# Allegro board RUBUS_20173009.brd (continued)
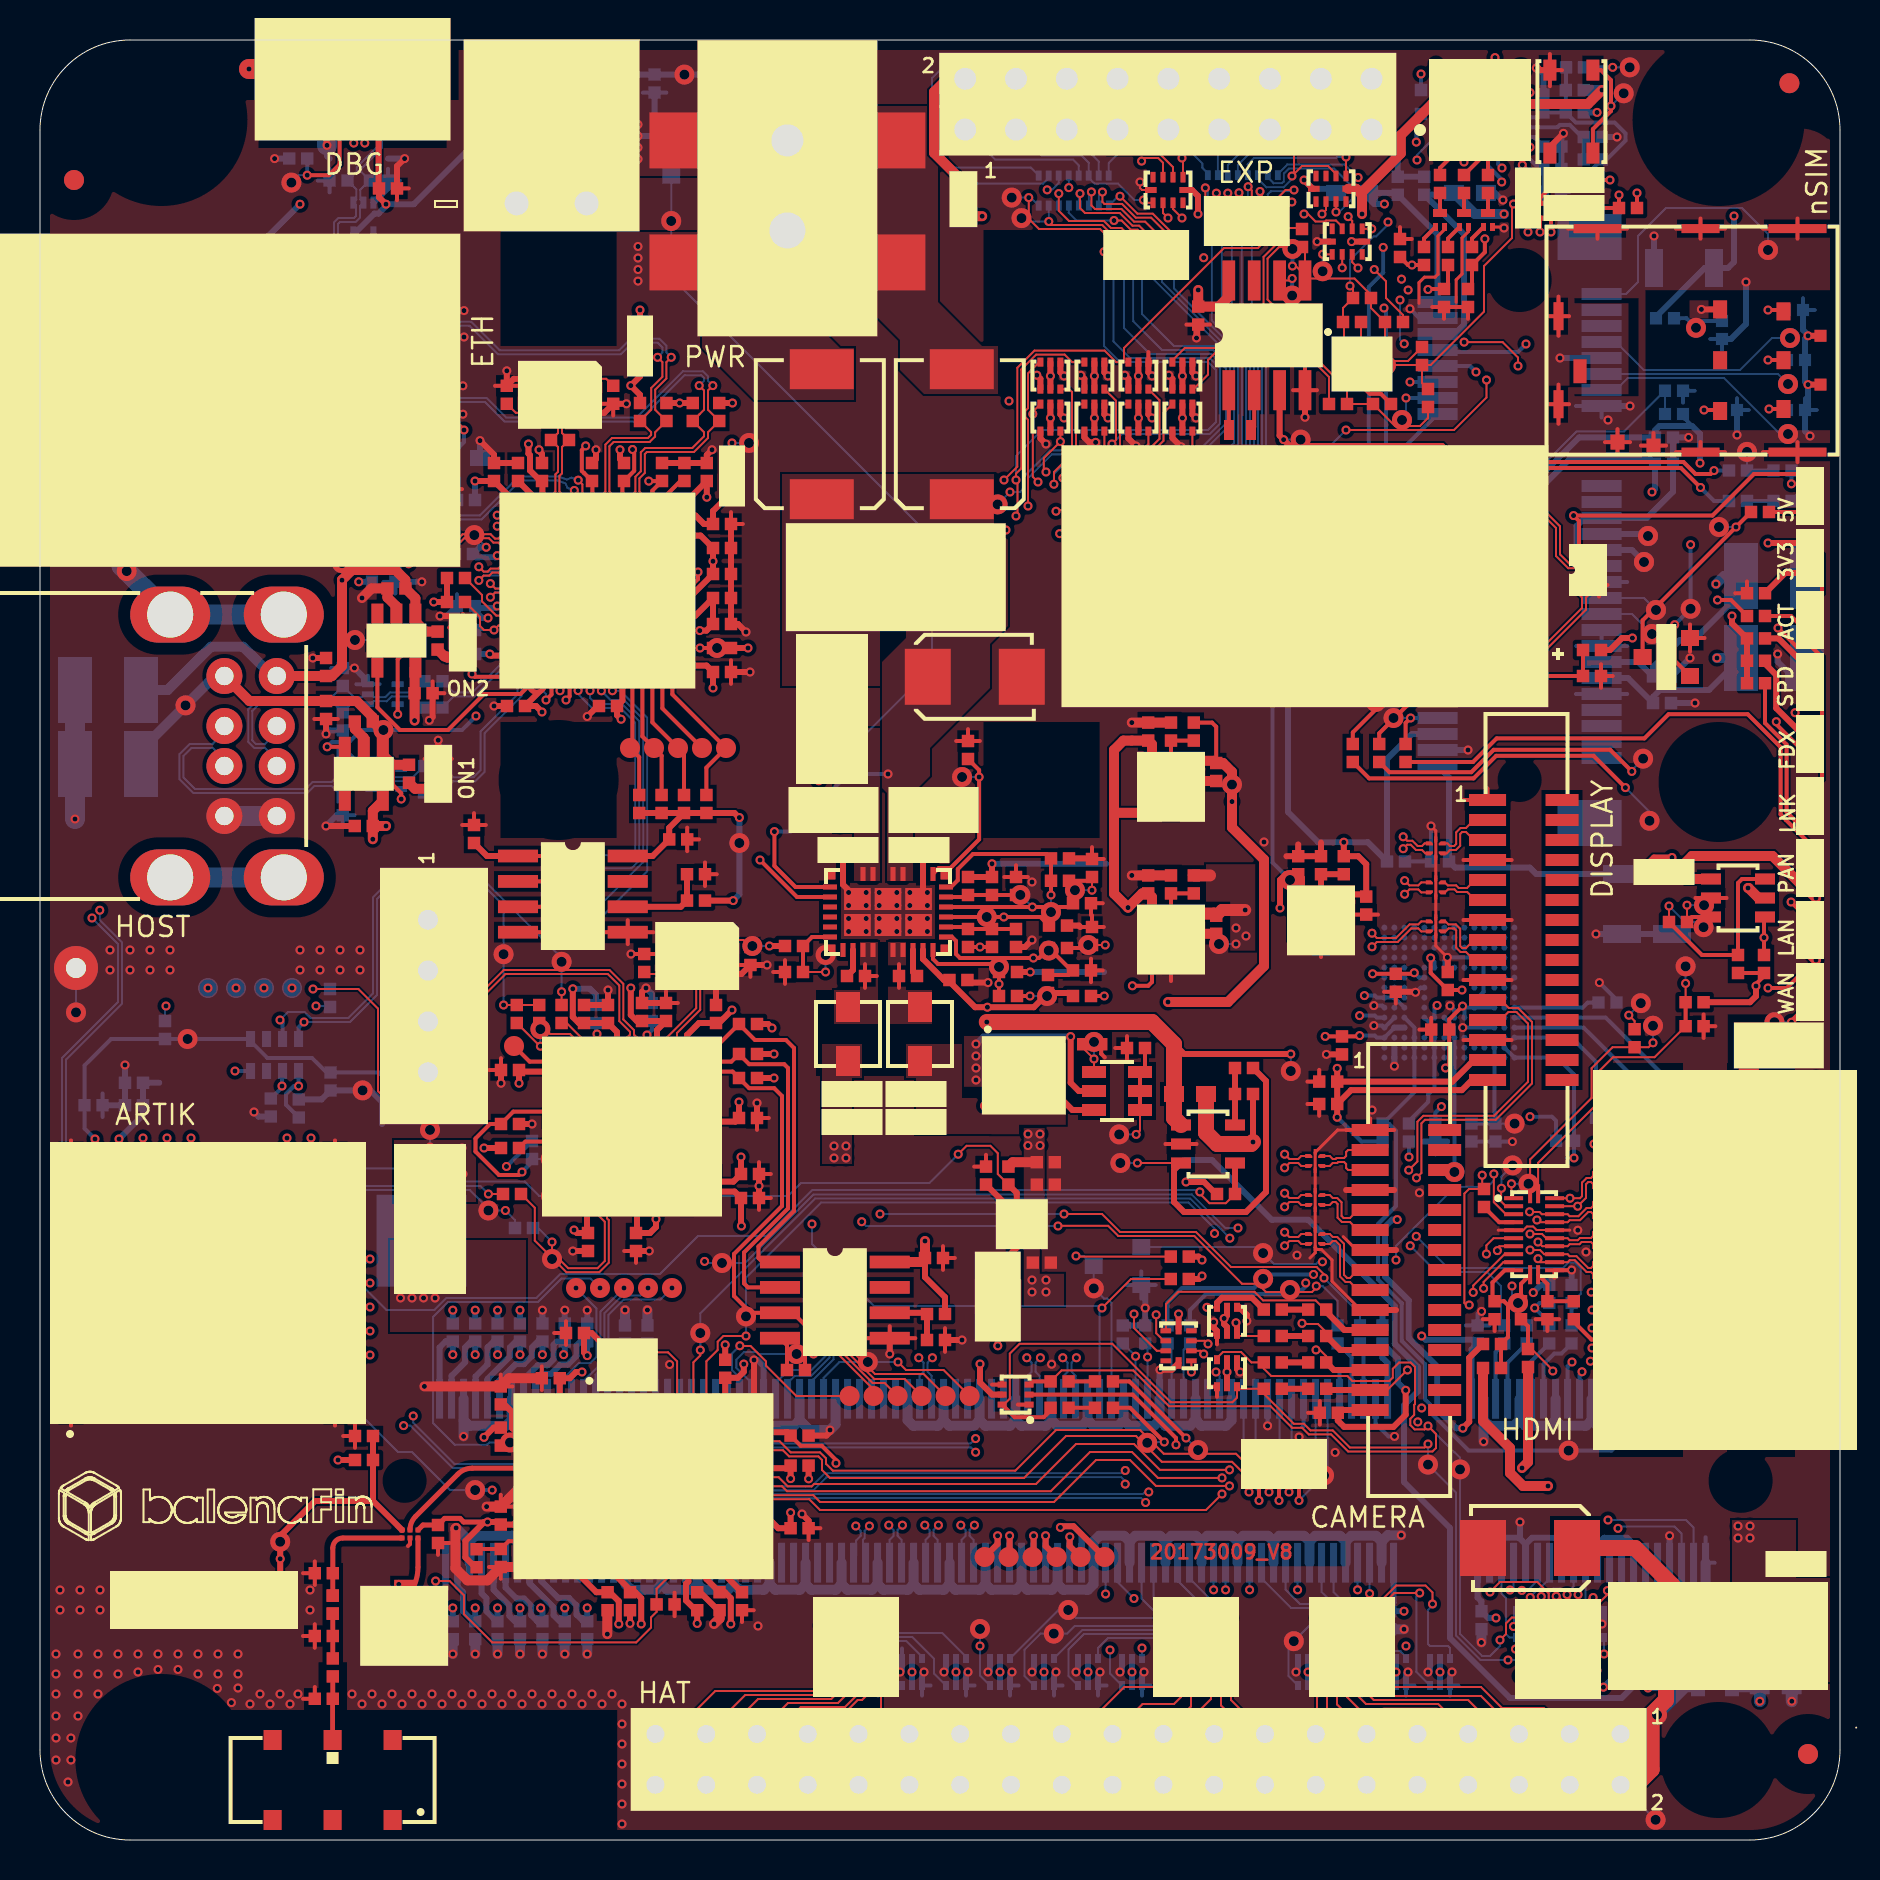
[diagram p0: board, top side]
## Routing (per net, layer and track width the routed paths; a pad name or vN(x,y) marks a point on that pad's centre or on a via; arc(x,y) is an arc through that point) (continued)
IO3: length 3
  TOP w0.1: RR6.11 64.85,6.78 J18.11
IO4: length 2.4
  TOP w0.1: J18.13 63.85,5.36 RR6.9
IO5: length 3.1
  TOP w0.1: J18.15 59.55,7 RR7.8
IO6: length 2.9
  TOP w0.1: RR7.4 57.55,6.68 J18.19
IO7: length 4.7
  TOP w0.1: J18.21 55.13,6.8 56.7,6.8 57.05,7.15 RR7.3
IO8: length 28.1
  TOP w0.1: v1(77.35,8.1) 77.15,7.9 RR10.15
  INT2 w0.1: v1(77.35,8.1) 75.95,6.7 52.49,6.7 J18.23
IO9: length 32.6
  TOP w0.1: RR10.13 76.15,7.75 76.35,7.95 76.35,8.3 76.12,8.53 75.43,8.53 v1(75.38,8.47)
  INT2 w0.1: v1(75.38,8.47) 74.2,7.3 48.01,7.3 J18.27
IO10: length 33.7
  TOP w0.1: v1(74.7,8.4) 74.81,8.4 75.15,8.06 RR10.11
  INT2 w0.1: v1(74.7,8.4) 74.7,8.18 74.02,7.5 45.67,7.5 J18.29
IO11: length 35.4
  TOP w0.1: v1(74,8.2) 74.37,8.2 74.65,7.92 RR10.10
  INT2 w0.1: J18.31 43.33,7.7 73.5,7.7 v1(74,8.2)
IO12: length 4.3
  TOP w0.1: J18.33 39.54,6.45 40.33,6.45 40.88,7 41.1,7 41.55,7.45 RR11.6
IO13: length 5.8
  TOP w0.1: J18.35 37.4,6.85 39.9,6.85 40.55,7.5 RR11.4
IO14: length 7.3
  TOP w0.1: J18.37 35.26,7.25 39.26,7.25 39.55,7.54 RR11.2
IO15: length 11.3
  TOP w0.1: RR11.1 38.85,7.45 33.76,7.45 32.11,5.8 32.11,4.1 J18.40
IO16: length 9.8
  TOP w0.1: J18.38 34.51,3.96 34.51,5.66 35.9,7.05 39.56,7.05 40.05,7.54 RR11.3
IO17: length 8.3
  TOP w0.1: RR11.5 41.05,7.45 40.25,6.65 38.04,6.65 37.05,5.66 37.05,3.96 J18.36
IO18: length 5.4
  TOP w0.1: RR11.7 42.05,5.88 42.13,5.8 42.13,3.96 J18.32
IO19: length 34.2
  TOP w0.1: v1(75.89,8.15) 75.65,7.91 RR10.12
  INT2 w0.1: v1(75.89,8.15) 75.89,7.49 75.5,7.1 48.65,7.1 47.35,5.8 47.35,4.1 J18.28
IO20: length 32.9
  TOP w0.1: RR10.14 76.65,8.28 v1(76.85,8.47)
  INT2 w0.1: J18.26 49.89,4.1 49.89,5.8 50.99,6.9 75.68,6.9 76.85,8.07 v1(76.85,8.47)
IO21: length 31.4
  TOP w0.1: v1(77.85,8.47) 77.85,7.85 77.65,7.65 RR10.16
  INT2 w0.1: J18.24 52.29,3.96 52.29,5.79 53,6.5 76.28,6.5 77.85,8.07 v1(77.85,8.47)
IO22: length 8
  TOP w0.1: RR7.1 54.21,7.65 52.34,5.78 52.34,4.05 J18.22
IO23: length 5.9
  TOP w0.1: J18.18 57.46,4.01 57.46,5.96 58.55,7.05 RR7.6
IO24: length 5.8
  TOP w0.1: RR7.7 59.05,6.73 60,5.78 60,4.01 J18.16
IO25: length 5.7
  TOP w0.1: J18.12 65.04,4.05 65.04,5.82 64.35,6.51 RR6.10
IO26: length 6.9
  TOP w0.1: RR6.12 65.35,7.15 65.95,6.55 66.85,6.55 67.62,5.78 67.62,4.01 J18.10
IO27: length 10.7
  TOP w0.1: J18.8 72.61,3.96 72.61,5.8 71.41,7 66.69,7 66.35,7.34 RR6.14
JTCK: length 7.1
  BOTTOM w0.1: v1(26.8,27.6) 27.82,26.58 27.82,24.15 27.52,23.84 26.95,23.84 25.98,22.88 J2.180
JTDI: length 7.2
  BOTTOM w0.1: J2.174 27.78,23.27 28.22,23.71 28.22,26.34 29.11,27.23 30.02,27.23 v1(30.4,27.6)
JTDI_FTDI: length 2.6
  TOP w0.1: U8.13 26.85,39.95 26.5,40.3 25.51,40.3 R213.2
JTDO: length 23.5
  BOTTOM w0.1: v1(28,27.6) 27.53,28.07 26.07,28.07 24.9,26.9 20.4,26.9 19.66,26.16 19.66,20.84 20.74,19.76 22.36,19.76 22.47,19.88 v2(23.5,19.88) 24.56,19.88 24.63,19.8 25.11,19.8 26.58,21.27 J2.178
JTDO_FTDI: length 4
  TOP w0.1: 25.07,39.62 U8.14 ; 25.07,39.62 R215.2 ; 25.07,39.62 25.07,39.64 v1(25.02,39.69)
  BOTTOM w0.1: v1(25.02,39.69) v2(25.02,40.54)
JTMS: length 6.4
  BOTTOM w0.1: v1(29.2,27.6) 28.02,26.42 28.02,23.79 27.18,22.95 J2.176
JTMS_FTDI: length 2.3
  TOP w0.2: U8.15 24.48,38.92 TP73.1
LED-B: length 8.5
  TOP w0.2: R124.1 v1(68.6,78.75) 68.4,78.75 R152.2
  INT2 w0.2: v1(71.2,83.9) 71.2,81.6 68.6,79 v1(68.6,78.75)
  BOTTOM w0.2: v1(71.2,83.9) 71.69,84.39 U25.4
LED-G: length 11.3
  TOP w0.2: v1(69.4,77.53) 69.42,77.53 69.45,77.55 R151.2 70.4,77.75 R122.1
  INT2 w0.2: v1(73.09,82.9) 72.2,82.9 71.6,82.3 71.6,81.1 70,79.5 70,78.12 v1(69.4,77.53)
  BOTTOM w0.2: U25.3 72.41,83.69 73,83.1 73,82.99 v1(73.09,82.9)
LED-R: length 8.3
  TOP w0.2: v1(72.24,80.06) 72.24,79.39 71.6,78.75 R120.1 71.6,77.75 R150.2
  INT2 w0.2: v1(72.24,80.06) 72.24,81.94 72.72,82.42 73.3,82.42 73.51,82.64 73.51,83.09 73.1,83.5 v1(73.1,83.6)
  BOTTOM w0.2: U25.2 72.91,83.79 v1(73.1,83.6)
MCU-GPIO0: length 128.1
  TOP w0.1: RR13.5 55.56,78.64 55.1,79.1 v1(55.1,79.42) ; v1(52.4,65.4) 52.4,65.9 55.78,69.28 57.22,69.28 57.62,69.69 57.62,70.44
  TOP w0.2: MOD2.3 v1(3.95,23.8)
  INT1 w0.1: v1(52.4,65.4) 52.67,65.4 53.37,66.1 56.1,66.1 56.7,66.7 v1(56.7,68.12)
  INT2 w0.1: v1(52.4,65.4) 51.88,65.4 51.18,64.7 50.15,64.7 38.5,53.05 38.5,32.52 37.5,31.52 37.5,22.78 36.22,21.5 28.12,21.5 26.65,20.03 26.65,16.83 23.32,13.5 13.43,13.5 3.95,22.98 v1(3.95,23.8)
  BOTTOM w0.1: v1(55.1,79.42) 55.1,76.3 56.7,74.7 58.73,74.7 59.7,73.73 59.7,69.85 57.8,67.95 56.88,67.95 v1(56.7,68.12) ; v2(3.95,22.95) v1(3.95,23.8)
MCU-GPIO0_EXT: length 20
  TOP w0.1: TVS6.7 56.15,81.35 v1(56.4,81.1)
  INT1 w0.1: J14.1 48.41,83.38 53.42,83.38 53.43,83.37 53.63,83.37 54.58,82.43 54.58,82.01 55.48,81.1 v1(56.4,81.1)
  BOTTOM w0.1: J14.1 47.76,84.02 51.65,84.02 51.94,83.73 RR14.13
MCU-GPIO1: length 123.9
  TOP w0.1: v1(50.8,66.44) 50.86,66.5 52.71,66.5 56.17,69.96 56.17,71.35 DS7.6 ; RR13.6 56.06,78.64 55.62,79.08 v1(55.62,79.12)
  TOP w0.2: MOD2.7 v1(8.75,23.8)
  INT1 w0.1: v1(56.1,67.92) 56.1,67.25 56,67.15 53.57,67.15 52.86,66.44 v1(50.8,66.44)
  INT2 w0.1: v1(8.75,23.8) 8.75,19.03 13.68,14.1 23.07,14.1 26.05,17.08 26.05,20.28 27.87,22.1 35.97,22.1 36.9,23.03 36.9,31.77 37.9,32.77 37.9,53.3 50.8,66.2 v1(50.8,66.44)
  BOTTOM w0.1: v2(8.75,24.65) v1(8.75,23.8) ; v1(56.1,67.92) 56.27,67.75 57.88,67.75 59.9,69.77 59.9,73.81 55.62,78.1 v1(55.62,79.12)
MCU-GPIO1_EXT: length 8.8
  TOP w0.1: TVS6.6 55.31,81.86 v1(55.17,82)
  BOTTOM w0.1: J14.3 50.1,84.22 52.08,84.22 52.44,83.86 RR14.14 52.44,83.11 52.73,82.82 53.9,82.82 54.72,82 v1(55.17,82)
MCU-GPIO2: length 120.5
  TOP w0.1: v1(52.11,67.28) 52.91,67.28 55.42,69.79 55.42,70.44 ; RR13.7 56.56,78.67 56.1,79.14 v1(56.1,79.42)
  TOP w0.2: MOD2.8 v1(9.95,23.8)
  INT1 w0.1: v1(52.11,67.28) 52.79,67.28 53.31,67.8 55.23,67.8 v1(55.3,67.72)
  INT2 w0.1: v1(52.11,67.28) 52,67.28 51.53,66.82 51.1,66.82 51.1,66.81 50.58,66.81 50.42,66.66 50.42,66.11 37.7,53.38 37.7,32.85 36.7,31.85 36.7,23.11 35.89,22.3 27.79,22.3 25.85,20.36 25.85,17.16 22.99,14.3 13.76,14.3 9.95,18.11 v1(9.95,23.8)
  BOTTOM w0.1: v1(9.95,23.8) v2(9.95,25.27) ; v1(56.1,79.42) 56.1,77.9 60.1,73.9 60.1,69.69 57.96,67.55 55.48,67.55 v1(55.3,67.72)
MCU-GPIO2_EXT: length 20.8
  TOP w0.1: TVS7.1 v1(66.59,80.56)
  INT2 w0.1: v1(66.59,80.56) 65.08,80.56 65.02,80.5 61.8,80.5 60.6,81.7 57.9,81.7 55.28,84.32 54.92,84.32 54.9,84.3 52.56,84.3 J14.5
  BOTTOM w0.1: J14.5 52.94,83.92 RR14.15
MCU-GPIO3: length 118.6
  TOP w0.1: DS8.6 54.15,71.8 54,71.65 54,68.9 v1(53.41,68.31) 53.4,68.31 53.4,68.3 52.76,67.66 v1(52.63,67.66) ; v1(56.7,79.3) 57.06,78.94 RR13.8
  TOP w0.2: MOD2.9 v1(11.15,23.8)
  INT2 w0.1: v1(11.15,23.8) 11.15,17.2 13.85,14.5 22.9,14.5 25.65,17.25 25.65,20.45 27.7,22.5 35.8,22.5 36.5,23.2 36.5,31.93 37.5,32.93 37.5,53.47 50.23,66.19 50.23,66.74 50.5,67.01 51.02,67.01 51.02,67.02 51.31,67.02 51.95,67.66 v1(52.63,67.66)
  BOTTOM w0.1: v2(11.15,24.65) v1(11.15,23.8) ; v1(53.41,68.31) 53.41,68.06 54.12,67.35 58.05,67.35 60.3,69.6 60.3,73.98 56.7,77.58 v1(56.7,79.3)
MCU-GPIO3_EXT: length 16.9
  TOP w0.1: v1(65.41,81.17) 65.41,81.16 65.61,80.96 TVS7.2
  INT2 w0.1: v1(65.41,81.17) 64.94,80.7 61.88,80.7 60.68,81.9 57.98,81.9 54.36,85.52 J14.7
  BOTTOM w0.1: RR14.16 53.44,83.85 53.88,84.29 J14.7
MCU-GPIO4: length 118.8
  TOP w0.1: RR3.1 v1(58.59,80.8) ; 53.22,70.44 53.22,68.72 52.94,68.44 51.94,68.44 51.7,68.2 v1(51.7,68.1)
  TOP w0.2: MOD2.10 v1(12.35,23.8)
  INT2 w0.1: v1(12.35,23.8) 12.35,16.28 13.93,14.7 22.82,14.7 25.45,17.33 25.45,20.53 27.62,22.7 35.72,22.7 36.3,23.28 36.3,32.02 37.3,33.02 37.3,53.55 50.02,66.28 50.02,66.82 50.42,67.21 50.93,67.21 50.94,67.22 51.23,67.22 51.69,67.68 51.69,68.1 v1(51.7,68.1)
  BOTTOM w0.1: v1(58.59,80.8) 58.59,75.97 60.5,74.06 60.5,69.52 58.13,67.15 54.03,67.15 52.95,68.23 51.83,68.23 v1(51.7,68.1) ; v1(12.35,23.8) v2(12.35,25.27)
MCU-GPIO4_EXT: length 14.3
  TOP w0.1: TVS7.3 65.11,80.66 64.8,80.97 64.31,80.97 64.26,80.92 63.77,80.92 63.4,81.3 v1(63.2,81.3)
  INT2 w0.1: J14.9 57.74,84.2 60.4,84.2 61.5,83.1 61.5,82.46 62.66,81.3 v1(63.2,81.3)
  BOTTOM w0.1: RR2.9 58.39,83.34 58.11,83.62 58.11,83.83 J14.9
MCU-GPIO5: length 119.2
  TOP w0.1: DS9.6 51.99,71.8 51.8,71.6 51.8,69.2 51.15,68.55 v1(51.15,68.1) ; RR3.2 v1(59.09,81.08)
  TOP w0.2: MOD2.11 13.55,23.63 v1(13.38,23.8)
  INT2 w0.1: v1(13.38,23.8) 13.38,15.53 14.01,14.9 22.74,14.9 25.25,17.41 25.25,20.61 27.54,22.9 35.64,22.9 36.1,23.36 36.1,32.1 37.1,33.1 37.1,53.63 49.83,66.36 49.83,66.9 50.33,67.41 50.85,67.41 51.07,67.63 51.07,67.64 51.14,67.72 51.14,68.1 v1(51.15,68.1)
  BOTTOM w0.1: v2(13.38,24.65) v1(13.38,23.8) ; v1(59.09,81.08) 59.09,75.76 60.7,74.15 60.7,69.44 58.21,66.95 53.95,66.95 52.87,68.03 52.33,68.03 52,67.7 51.55,67.7 v1(51.15,68.1)
MCU-GPIO5_EXT: length 14.9
  TOP w0.1: v1(65.9,78.6) 65.61,78.89 TVS7.8
  INT1 w0.1: J14.11 59.28,85.52 61.6,83.2 61.6,80.6 64.1,78.1 65.4,78.1 v1(65.9,78.6)
  BOTTOM w0.1: J14.11 58.96,84.29 58.89,84.22 RR2.10
MCU-GPIO6: length 118.6
  TOP w0.1: MOD2.27 v1(6.35,35.1) ; RR3.3 v1(59.59,80.8) ; 51.02,70.44 v1(51.02,69.92) 50.19,69.09 50.19,68.51 v1(50.3,68.4)
  INT1 w0.1: v1(50.3,68.4) 50.3,66.41 50.64,66.06 52.76,66.06 53.65,66.95 54.86,66.95 55.23,66.58 v1(55.8,66.58)
  INT2 w0.1: v1(51.02,69.92) 50.22,70.72 49.68,70.72 49.2,71.21 49.2,72.12 47.52,73.8 32.98,73.8 32.08,72.9 30.82,72.9 29.62,74.1 11.68,74.1 2.85,65.27 2.85,48.1 5.11,45.84 5.11,40.77 5.85,40.03 5.85,35.2 5.95,35.1 v1(6.35,35.1)
  BOTTOM w0.1: v1(6.35,35.1) v2(6.35,34.25) ; v1(55.8,66.58) 58.12,66.58 60.9,69.35 60.9,74.23 59.59,75.54 v1(59.59,80.8)
MCU-GPIO6_EXT: length 13.1
  TOP w0.1: TVS7.7 v1(65.11,78.61)
  INT1 w0.1: J14.13 61.8,85.22 61.8,80.8 63.99,78.61 v1(65.11,78.61)
  BOTTOM w0.1: J14.13 61.16,85.52 59.39,83.75 RR2.11
MCU-GPIO7: length 119.3
  TOP w0.1: v1(49.9,67.9) 49.64,68.16 v1(49.64,71.3) 49.64,71.42 DS10.6 ; RR3.4 v1(60.09,81.09) ; MOD2.28 v1(5.15,35.1)
  INT1 w0.1: v1(49.9,67.9) 49.9,66.53 50.56,65.86 52.85,65.86 53.56,66.58 v1(54.7,66.58)
  INT2 w0.1: v1(5.15,35.1) 5.55,35.1 5.65,35.2 5.65,39.95 4.91,40.69 4.91,45.76 2.65,48.02 2.65,65.35 11.6,74.3 29.7,74.3 30.9,73.1 32,73.1 32.9,74 47.6,74 49.4,72.2 49.4,71.54 v1(49.64,71.3)
  BOTTOM w0.1: v1(54.7,66.58) 55.08,66.2 58.03,66.2 61.1,69.27 61.1,74.31 60.09,75.32 v1(60.09,81.09) ; v1(5.15,35.1) v2(5.15,34.25)
MCU-GPIO7_EXT: length 15.1
  TOP w0.1: TVS7.6 64.14,79.28 v1(64.13,79.29)
  INT1 w0.1: J14.15 63.72,85.52 62,83.8 62,81 63.71,79.29 v1(64.13,79.29)
  BOTTOM w0.1: J14.15 62.84,84.32 60.46,84.32 59.89,83.75 RR2.12 ; v2(64.13,78.44) v1(64.13,79.29)
NJTRST_FTDI: length 1.8
  TOP w0.2: R217.1 24.27,34.92 U8.23
NRST: length 7.9
  BOTTOM w0.1: J2.172 28.38,23.58 28.42,23.62 28.42,26.25 29.19,27.02 31.02,27.02 v1(31.6,27.6)
PERST_MPCIE: length 1.6
  BOTTOM w0.2: U25.8 70.96,86.64 70.1,87.5 R250.2
PW_EN_LED: length 67.8
  TOP w0.2: R273.1 v1(86.2,45.12) 86.2,46.1 Q16.1 ; v1(81.73,60.77) 81.73,58.97 Q13.1
  INT1 w0.2: v1(82.53,64.77) 82.55,64.77 87.54,69.76 87.54,76.77 84.21,80.1 83.06,80.1 79.36,83.8 74.7,83.8 74,84.5 74,86.17 75.38,87.55 75.38,88.64 74.8,89.22 72.85,89.22 v1(72.75,89.12)
  INT2 w0.2: v1(81.73,60.77) 81.73,58.34 80.69,57.3 80.69,51.56 86.2,46.06 v1(86.2,45.12)
  BOTTOM w0.2: U25.10 72.41,88.78 v1(72.75,89.12) ; v1(81.73,60.77) v2(82.53,61.56) v1(82.53,64.77)
PW_ON_3V3: length 48.3
  TOP w0.1: R180.1 47.89,33.3 47.89,34.34 47.52,34.71 46.33,34.71 v1(45.91,34.29) ; MOD2.26 v1(7.55,35.1)
  TOP w0.3: R180.1 48.84,32.35 U20.3
  BOTTOM w0.1: v1(45.91,34.29) 44.47,32.85 38.05,32.85 37.4,32.2 v2(25.55,32.2) 24.96,32.2 24.23,32.92 20.94,32.92 20.28,33.58 7.8,33.58 7.55,33.83 v1(7.55,35.1)
PW_ON_5V: length 52.6
  TOP w0.1: v1(57.99,32.4) 57.99,32.32 58.47,31.84 59.29,31.84 R274.1 ; MOD2.17 v1(16.5,29.05)
  TOP w0.3: Q17.1 R274.1
  BOTTOM w0.1: v2(15.65,29.05) v1(16.5,29.05) 16.12,28.68 16.12,27.69 17.32,26.5 19.72,26.5 20.32,27.1 24.82,27.1 26.02,28.3 31,28.3 32.9,30.2 36.32,30.2 38.62,32.5 57.9,32.5 v1(57.99,32.4)
RF_OUT_50OHM: length 7.2
  TOP w0.25: MOD1.N4 21.6,18.59 arc(21.22,18.51) 20.9,18.3 18.78,16.18 arc(18.57,15.87) U26.5
RST_MCU: length 32.1
  TOP w0.2: MOD2.30 v1(2.75,35.05)
  INT1 w0.2: v1(17.38,37.96) 18.83,36.5 21.3,36.5 23.32,34.48 v1(23.32,33.68)
  BOTTOM w0.2: v1(17.38,37.96) 17.36,37.96 16.94,38.38 R118.1 14.32,38.38 13.6,39.1 11.37,39.1 10.53,39.94 RR4.5 v2(7.38,40.05) R290.1 3.55,40.05 2.23,38.73 C91.1 2.23,35.57 v1(2.75,35.05) ; R216.1 24.6,34.95 v1(23.32,33.68)
SPI-MCU_MISO: length 98
  TOP w0.1: DS28.6 51.45,72.55 51.6,72.4 51.6,69.3 50.7,68.4 50.7,67.79 v1(50.69,67.79) ; RR13.4 55.06,78.68 v1(54.66,79.08) ; MOD2.15 v1(16.5,26.65)
  INT2 w0.1: v1(50.69,67.79) 50.52,67.61 50.25,67.61 49.71,67.08 48.71,67.08 32.5,50.87 32.5,41.73 33.9,40.33 33.9,28.77 30.78,25.65 17.5,25.65 v1(16.5,26.65)
  BOTTOM w0.1: v2(15.65,26.65) v1(16.5,26.65) ; v1(50.69,67.79) 50.69,68.29 51.48,69.08 57.83,69.08 59.5,70.75 59.5,73.65 58.65,74.5 56.1,74.5 54.66,75.94 v1(54.66,79.08)
SPI-MCU_MISO_EXT: length 16.8
  TOP w0.1: TVS6.8 56.65,81.55 v1(57.1,81.1)
  INT1 w0.1: J14.10 57.7,86.78 57.7,81.7 v1(57.1,81.1) 56.7,80.7 55.6,80.7 54.38,81.92 54.38,82.34 53.62,83.1 51.54,83.1 51.44,83 v1(51.44,82.62)
  BOTTOM w0.1: RR14.12 v1(51.44,82.62)
SPI-MCU_MOSI: length 100.9
  TOP w0.1: v1(54.2,79.4) 54.2,78.97 54.36,78.81 54.36,78.81 54.56,78.61 RR13.3 ; DS28.3 49.96,73.89 49.4,73.33 49.4,71.59 49.27,71.46 49.27,71.14 49.4,71.01 v1(49.4,66.7) ; MOD2.14 v1(16.5,25.45)
  INT2 w0.1: v1(49.4,66.7) 48.62,66.7 32.7,50.78 32.7,41.82 34.1,40.42 34.1,28.68 30.87,25.45 v1(16.5,25.45)
  BOTTOM w0.1: v1(49.4,66.7) 49.4,68.09 50.6,69.28 57.75,69.28 59.3,70.83 59.3,73.57 58.57,74.3 55.5,74.3 54.2,75.6 v1(54.2,79.4) ; v2(15.65,25.45) v1(16.5,25.45)
SPI-MCU_MOSI_EXT: length 13
  TOP w0.1: v1(55.08,83.94) 55.08,84 55.18,84.1 55.91,84.1 56.15,83.86 TVS6.3
  INT1 w0.1: v1(55.08,83.94) 55.08,86.86 J14.8
  INT2 w0.1: v1(55.08,83.94) 54.92,83.94 54.88,83.9 51.8,83.9 50.41,82.51 v1(50.36,82.51)
  BOTTOM w0.1: RR14.11 50.94,82.85 50.63,82.54 50.39,82.54 v1(50.36,82.51)
SPI-MCU_SCLK: length 94.8
  TOP w0.1: MOD2.16 v1(16.5,27.85) ; DS27.6 53.8,71.97 53.8,70 v1(53.6,69.8) ; v1(53.67,79.08) 54.06,78.68 RR13.2
  INT2 w0.1: v1(16.5,27.85) 26.15,27.85 26.4,28.1 32.95,28.1 33.7,28.85 33.7,40.25 32.3,41.65 32.3,50.95 48.5,67.15 v1(48.5,67.4)
  BOTTOM w0.1: v2(47.88,66.78) v1(48.5,67.4) 49,67.4 49.17,67.58 49.17,68.14 50.52,69.48 53.28,69.48 v1(53.6,69.8) 54.1,70.3 58.48,70.3 59,70.82 59,73.58 58.48,74.1 54.5,74.1 53.67,74.93 v1(53.67,79.08)
SPI-MCU_SCLK_EXT: length 26.8
  TOP w0.1: TVS6.2 56.65,83.64 55.97,84.32 53.38,84.32 52.54,85.16 52.54,86.86 J14.6
  BOTTOM w0.1: J14.6 50.14,89.26 45.76,89.26 44.6,88.1 44.6,84.32 46.1,82.82 50.15,82.82 50.44,83.11 RR14.10
SPI_MCU_CS-CON: length 104.6
  TOP w0.1: MOD2.13 v1(16.5,24.25) ; DS27.3 51.61,73.89 51.23,74.27 49.81,74.27 49.06,73.53 49.06,68.58 48.8,68.32 v1(48.8,68) 48.88,67.92 48.88,66.28 v1(48.8,66.2) ; v1(53.2,79.41) 53.2,78.8 53.5,78.5 RR13.1
  INT2 w0.1: v1(16.5,24.25) 19.7,24.25 20.7,25.25 30.95,25.25 34.3,28.6 34.3,40.5 32.9,41.9 32.9,50.7 48.4,66.2 v1(48.8,66.2)
  BOTTOM w0.1: v1(53.2,79.41) 53.2,74.69 54,73.9 58.4,73.9 58.8,73.5 58.8,70.9 58.4,70.5 50.1,70.5 48.8,69.2 v1(48.8,68) ; v2(15.65,24.25) v1(16.5,24.25)
SPI_MCU_CS-CON_EXT: length 24.6
  TOP w0.1: TVS6.1 57.15,84.05 v1(57.1,84.1)
  INT1 w0.1: v1(57.1,84.1) 56.57,83.57 53.51,83.57 53.51,83.58 51.59,83.58 50,85.16 50,86.86 J14.4
  BOTTOM w0.1: J14.4 47.6,86.86 45.16,86.86 44.9,86.6 44.9,84.3 45.58,83.62 49.54,83.62 RR14.9
SW_I2C_SCL_ON: length 145.4
  TOP w0.1: v1(62.61,78.08) 62.51,77.98 U23.6 61.98,77.22 62.88,76.32 62.88,75 64.83,73.05 Q18.3 65.35,72.9 R284.1 R288.1 67.75,70.7 69,70.7 69.4,71.1 R287.2 ; MOD2.19 v1(13.3,31.45)
  INT1 w0.1: v1(2.99,46.49) 2.73,46.75 2.48,46.75 0.8,48.43 0.8,76.62 4.98,80.8 18.38,80.8 25.08,87.5 38.5,87.5 44.1,81.9 48.3,81.9 48.8,81.4 53.9,81.4 55.3,80 58.4,80 60.4,78 62.53,78 v1(62.61,78.08)
  BOTTOM w0.1: v1(2.99,46.49) 2.99,45.99 4.1,44.88 4.1,41.82 1.3,39.02 1.3,33.98 2.18,33.1 4.38,33.1 6.53,30.95 13.2,30.95 13.3,31.05 v1(13.3,31.45)
  BOTTOM w0.2: v1(62.61,78.08) v2(62.61,77.22)
SW_I2C_SCL_ON_OFF: length 125.2
  TOP w0.1: R282.2 67.7,73.75 Q18.4 ; R282.2 69.1,72.85 R287.1 ; R282.2 69.53,73.75 72.2,76.42 72.2,78.7 73.6,80.1 73.6,81.7 73.67,81.78 v1(73.67,81.8)
  INT1 w0.1: v1(63.29,27.85) 63.29,28.89 64.1,29.7 64.1,34.35 63.32,35.13 62.84,35.13 61.9,36.07 61.9,39.48 65.32,42.9 68.9,42.9 69.2,43.2 71.7,43.2 74.46,40.45 77.98,40.45 80.33,38.1 v1(88.8,38.1)
  INT2 w0.1: 74.2,82.8 73.5,83.5 73.5,87.29 v1(73.91,87.7) ; 74.2,82.8 74.2,82.33 v1(73.67,81.8) ; 74.2,82.8 77.6,79.4 77.6,76.35 82.1,71.85 82.1,71.1 84.1,69.1 87.7,69.1 89.2,67.6 89.2,38.5 v1(88.8,38.1)
  BOTTOM w0.2: U25.12 73.59,87.39 73.9,87.7 v1(73.91,87.7) ; v1(63.29,27.85) 63.3,27.84 63.3,27.7 63.1,27.5 v2(62.5,27.5) 62.3,27.3 58.3,27.3 57.5,26.5 R17.2
SW_I2C_SDA_ON: length 141.8
  TOP w0.1: 63.25,78.24 U23.5 63.35,78.08 65.72,78.08 66.55,77.25 R286.1 66.55,76.6 R289.2 67.25,74.8 Q18.6 ; 63.25,78.24 62.79,78.7 v1(62.62,78.7) ; 63.25,78.24 63.25,79.5 R285.2 ; MOD2.18 v1(13.3,30.25)
  INT1 w0.1: v1(62.62,78.7) 62.12,78.2 60.48,78.2 58.48,80.2 55.38,80.2 53.98,81.6 48.88,81.6 48.38,82.1 44.18,82.1 38.58,87.7 25,87.7 18.3,81 4.9,81 0.6,76.7 0.6,48.35 2.34,46.61 2.34,46.36 v1(2.6,46.1)
  BOTTOM w0.1: v1(13.3,30.25) 13.3,30.65 13.2,30.75 6.45,30.75 4.3,32.9 2.1,32.9 1.1,33.9 1.1,39.1 3.9,41.9 3.9,44.8 v1(2.6,46.1)
  BOTTOM w0.2: v2(62.62,79.55) v1(62.62,78.7)
SW_I2C_SDA_ON_OFF: length 129
  TOP w0.1: v1(65.5,77.7) 65.65,77.55 R286.2 65.15,76.6 R283.1 65.2,75.85 Q18.1
  INT1 w0.1: v1(63.68,28.28) 63.68,28.99 64.3,29.62 64.3,34.43 63.4,35.33 62.93,35.33 62.1,36.16 62.1,39.4 65.4,42.7 67.93,42.7 70.39,40.24 77.9,40.24 80.24,37.9 88.4,37.9 88.59,37.71 v1(89.19,37.71) ; v1(67.4,80.9) 73.83,87.33 74.07,87.33 74.12,87.38 v1(74.5,87.38)
  INT2 w0.1: v1(74.5,87.38) 73.7,86.58 73.7,83.6 77.8,79.5 77.8,76.44 82.3,71.94 82.3,71.18 84.18,69.3 87.78,69.3 89.4,67.68 89.4,37.92 v1(89.19,37.71)
  BOTTOM w0.1: v1(65.5,77.7) 65.5,79 66.69,80.19 66.82,80.19 67.4,80.77 v1(67.4,80.9)
  BOTTOM w0.2: R19.2 56.38,26.88 57.1,27.6 60.7,27.6 v2(61.16,28.06) 61.38,28.28 v1(63.68,28.28) ; U25.13 74.16,87.03 v1(74.5,87.38)
SWCLK_MCU: length 33.9
  TOP w0.1: R214.1 v1(26.08,42.41)
  TOP w0.2: MOD2.21 v1(13.55,35.1)
  INT2 w0.2: v1(13.55,35.1) 13.12,35.52 12.2,35.52 11.67,36.05 11.67,40.67 v1(12,41)
  BOTTOM w0.1: v1(12,41) 12.4,41.4 13.23,41.4 13.53,41.1 15.42,41.1 16.65,42.33 16.65,47.13 17.42,47.9 22.28,47.9 26.08,44.1 v2(26.08,43.91) v1(26.08,42.41)
  BOTTOM w0.2: v1(12,41) 12.13,40.87 RR4.7
SWDIO_MCU: length 33.9
  TOP w0.1: v1(23.18,41.75) R215.1 R213.1
  TOP w0.2: MOD2.22 v1(12.35,35.1)
  INT2 w0.2: v1(12.35,35.1) 12.2,35.1 11.38,35.93 11.38,40.98 11.82,41.42 12.67,41.42 v1(13.2,40.9)
  BOTTOM w0.1: v1(13.2,40.9) 15.5,40.9 16.85,42.25 16.85,47.05 17.5,47.7 22.2,47.7 23.18,46.72 v2(23.18,44.29) v1(23.18,41.75)
  BOTTOM w0.2: v1(13.2,40.9) 12.93,40.63 RR4.8
USB_DBG_D+: length 16.4
  BOTTOM w0.1: U13.5 18.04,66.99 17.94,67.09 17.94,68.12 16.79,69.27 14.17,69.27 12.93,70.51 12.93,74.65 14.9,76.62 14.9,77.85 R115.1
USB_DBG_D-: length 16.4
  BOTTOM w0.1: U13.4 17.64,66.99 17.74,67.09 17.74,68.04 16.71,69.07 14.09,69.07 12.73,70.43 12.73,74.73 14.7,76.7 14.7,77.85 R114.1
USB_DM: length 68.9
  INT1 w0.1: v1(16.39,66.13) 16.15,65.89 15.8,65.89 15.3,65.39 15.3,65.02 17.4,62.92 17.4,59.08 16.8,58.48 16.8,55 18.85,52.95 18.85,51.19 15.42,47.77 15.42,23.82 18.18,21.06 v1(18.18,20.72)
  BOTTOM w0.1: J2.167 29.88,15.01 30.08,15.21 30.08,18.5 29.98,18.6 20.64,18.6 18.52,20.72 v1(18.18,20.72) ; v1(16.39,66.13) 16.53,65.99 U13.2
USB_DP: length 68.5
  INT1 w0.1: v1(18.66,21.2) 18.32,21.2 15.62,23.9 15.62,47.68 19.05,51.11 19.05,53.03 17,55.08 17,58.4 17.6,59 17.6,63 15.5,65.1 15.5,65.31 15.88,65.69 16.15,65.69 v1(16.39,65.45)
  BOTTOM w0.1: v1(16.39,65.45) 16.53,65.59 U13.1 ; v1(18.66,21.2) 18.66,20.86 20.72,18.8 30.06,18.8 30.28,18.58 30.28,15.21 30.48,15.01 J2.165
USB_HOST1_CTRL: length 16.4
  TOP w0.2: U22.17 21.74,58.16 v1(21.6,58.3) ; v1(14.36,54.66) U10.3
  TOP w0.5: U10.3 U10.4
  INT2 w0.2: v1(21.6,58.3) 21.8,58.1 v1(21.8,56.2)
  BOTTOM w0.2: v1(14.36,54.66) 14.6,54.9 15.46,54.9 16.06,55.5 v2(17.17,55.5) 21.1,55.5 v1(21.8,56.2)
USB_HOST1_D+: length 16.4
  TOP w0.1: U22.7 23.07,63.22 22.92,63.37 22.62,63.37 22.47,63.22 22.18,63.22 v1(21.94,62.98)
  BOTTOM w0.1: R91.1 20.66,53.14 21.68,53.14 22.03,53.49 22.03,55.43 23.88,57.27 23.88,62.74 23.4,63.22 22.18,63.22 v1(21.94,62.98)
USB_HOST1_D-: length 17.1
  TOP w0.1: v1(21.94,63.66) 22.18,63.42 22.38,63.42 22.53,63.57 22.92,63.57 23.07,63.72 U22.6
  BOTTOM w0.1: v1(21.94,63.66) 22.18,63.42 23.48,63.42 24.08,62.83 24.08,57.19 22.23,55.35 22.23,53.41 21.76,52.94 20.66,52.94 R92.1
USB_HOST2_CTRL: length 15.2
  TOP w0.2: U12.4 16.87,56.63 18,55.5 20.4,55.5 22.2,57.3 24.03,57.3 24.62,57.89 U22.18
  TOP w0.5: U12.3 16.87,60.67 16.6,60.4 v1(16.6,60) 16.6,59.57 16.87,59.3 U12.4
  BOTTOM w0.1: v1(16.6,60) v2(15.75,60)
USB_HOST2_D+: length 9.4
  TOP w0.1: v1(22.52,62.14) 22.75,62.37 23.21,62.37 23.36,62.22 U22.9
  BOTTOM w0.1: v1(22.52,62.14) 22.76,62.38 23.12,62.38 23.26,62.24 23.26,59.01 21.63,57.38 20.68,57.38 R109.1
USB_HOST2_D-: length 10
  TOP w0.1: v1(22.52,62.82) 22.77,62.57 23.21,62.57 23.36,62.72 U22.8
  BOTTOM w0.1: v1(22.52,62.82) 22.76,62.58 23.2,62.58 23.46,62.32 23.46,58.93 21.71,57.18 20.68,57.18 R108.1
USB_HUB_D+: length 10.4
  TOP w0.1: v1(26.72,67.48) 26.72,67.31 26.62,67.21 U22.59
  BOTTOM w0.1: v1(26.72,67.48) 26.37,67.61 26.27,67.83 25.89,67.98 24.03,67.98 22.08,66.03 19.33,66.03 18.99,65.69 18.74,65.69 18.64,65.59 U13.7
USB_HUB_D-: length 11.1
  TOP w0.1: v1(26.91,67.99) 26.91,67.99 27.12,67.78 U22.58
  BOTTOM w0.1: v1(26.91,67.99) 26.57,68.12 26.34,68.02 25.93,68.18 23.94,68.18 22,66.23 19.25,66.23 18.91,65.89 18.74,65.89 18.64,65.99 U13.6
USB_JTAG+: length 45.7
  TOP w0.1: U22.4 23.07,64.72 22.92,64.87 22.67,64.87 22.45,65.09 21.21,65.09 21.04,64.92 20.63,64.92 20.48,65.07 v1(20.14,65.07) ; J23.3 20.57,42.1 22.07,42.1 23.27,43.3 28.39,43.3 28.97,42.73 28.97,40.94 29.5,40.41 29.5,40.27 29.35,40.12 U8.8
  INT1 w0.1: J23.3 18.23,42.1 17.32,42.1 16.85,42.57 16.85,47.85 20.7,51.7 20.7,64.85 20.48,65.07 v1(20.14,65.07)
USB_JTAG-: length 45.7
  TOP w0.1: v1(20.62,65.56) 20.62,65.22 20.72,65.12 20.96,65.12 21.13,65.29 22.53,65.29 22.75,65.07 22.92,65.07 23.07,65.22 U22.3 ; U8.7 29.85,40.12 29.7,40.27 29.7,40.49 29.16,41.03 29.16,42.81 28.47,43.5 23.19,43.5 21.99,42.3 20.57,42.3 J23.2
  INT1 w0.1: v1(20.62,65.56) 20.62,65.22 20.9,64.93 20.9,51.62 17.05,47.77 17.05,42.65 17.4,42.3 18.23,42.3 J23.2
USB_MPCIE_D+: length 77.4
  TOP w0.1: v1(67.85,59.36) 68.09,59.6 75.38,59.6 77.3,61.52 77.3,62.12 77.45,62.27 TVS17.2 77.45,63.23 77.3,63.38 77.3,63.6 77.11,63.79 76.49,63.79 76,64.28 76,65.68 74.1,67.58 72.75,67.58 v1(72.51,67.82) ; v1(22.86,65.69) 22.89,65.72 U22.2
  INT1 w0.1: v1(22.86,65.69) 22.5,65.69 22.32,65.86 22.02,65.86 21.8,66.08 21.8,66.93 23.75,68.88 46.68,68.88 47,69.2 68.99,69.2 70.61,67.58 72.27,67.58 v1(72.51,67.82)
  BOTTOM w0.1: J19.38 69.18,59.3 68.88,59.6 68.09,59.6 v1(67.85,59.36)
USB_MPCIE_D-: length 76
  TOP w0.1: v1(22.86,66.24) 22.88,66.22 U22.1 ; v1(67.85,60.04) 68.09,59.8 75.3,59.8 77.1,61.6 77.1,62.12 76.95,62.27 TVS17.1 76.95,63.23 77.1,63.38 77.1,63.52 77.03,63.59 76.41,63.59 75.8,64.2 75.8,65.6 74.02,67.38 72.75,67.38 v1(72.51,67.14)
  INT1 w0.1: v1(72.51,67.14) 72.27,67.38 70.53,67.38 68.91,69 47.08,69 46.76,68.68 23.83,68.68 22,66.85 22,66.16 22.1,66.06 22.32,66.06 22.49,66.24 v1(22.86,66.24)
  BOTTOM w0.1: v1(67.85,60.04) 68.09,59.8 68.88,59.8 69.18,60.1 J19.36
W-DISABLE_MPCIE: length 1.3
  BOTTOM w0.2: R249.2 70.11,86.14 U25.7
WIFI_BLE_PDN: length 148.8
  TOP w0.1: v1(72.33,73) 72.33,72.12 70.7,70.5 v1(65.3,70.5) ; MOD1.C8 32.87,14.54 32.23,14.54 31.97,14.28 31.97,13.7 30.83,12.56 R218.2 30.83,11.41 30.55,11.13 30.55,10.62 29.81,9.88 22.61,9.88 21.2,11.29 21.2,12.23 20.48,12.95 v1(19.78,12.95)
  INT1 w0.1: v1(19.78,12.95) 19.78,15.11 22.17,17.5 v1(22.61,17.5) ; v1(63.3,67.7) 61.5,65.9 58,65.9 56.8,64.7 49.1,64.7 v1(48.3,65.5)
  INT2 w0.1: v1(12.5,31.9) 12.5,32.8 14.3,34.6 14.3,41.2 v1(13.8,41.7) ; v1(22.61,17.5) 24.95,17.5 25.05,17.6 25.05,20.7 27.45,23.1 31.68,23.1 32.48,23.9 32.48,25.9 34.7,28.12 34.7,30.54 34.58,30.66 34.58,40.77 35.34,41.54 35.34,52.54 v1(48.3,65.5)
  BOTTOM w0.1: R293.2 14.45,41.7 v1(13.8,41.7) ; v1(63.3,67.7) 63.3,68.5 v1(65.3,70.5) ; v1(12.5,31.9) 14.1,31.9 14.9,31.1 14.9,22.4 17.9,19.4 18.6,19.4 20.5,17.5 v2(21.76,17.5)
  BOTTOM w0.2: v1(22.61,17.5) v2(21.76,17.5)
WIFI_SDIO_CLK: length 38.4
  TOP w0.1: v1(59.1,18.1) 55.9,18.1 54.6,19.4 52.5,19.4 50.54,17.44 37.35,17.44 37.1,17.69 MOD1.A5
  TOP w0.2: RR15.6 v1(62.95,16.98)
  INT1 w0.1: v1(59.1,18.1) 59.1,18.66 59.76,19.32 61.56,19.32 62.95,17.93 v1(62.95,16.98)
  BOTTOM w0.1: J2.52 64.38,18.41 v2(64.2,18.23) v1(62.95,16.98)
WIFI_SDIO_CMD: length 36.3
  TOP w0.1: MOD1.B4 34.67,18.14 36.93,18.14 37.39,17.68 38.59,17.68 38.7,17.8 49.8,17.8 51.8,19.8 54.7,19.8 55.99,18.51 v1(59.48,18.51)
  TOP w0.2: RR15.5 v1(62.45,17.4)
  INT1 w0.1: v1(62.45,17.4) 61.34,18.51 v1(59.48,18.51)
  BOTTOM w0.1: v1(62.45,17.4) 63.78,18.73 J2.54
